# Altium PCB BACKPMANv21.PcbDoc (part 4 of 5) (continued)
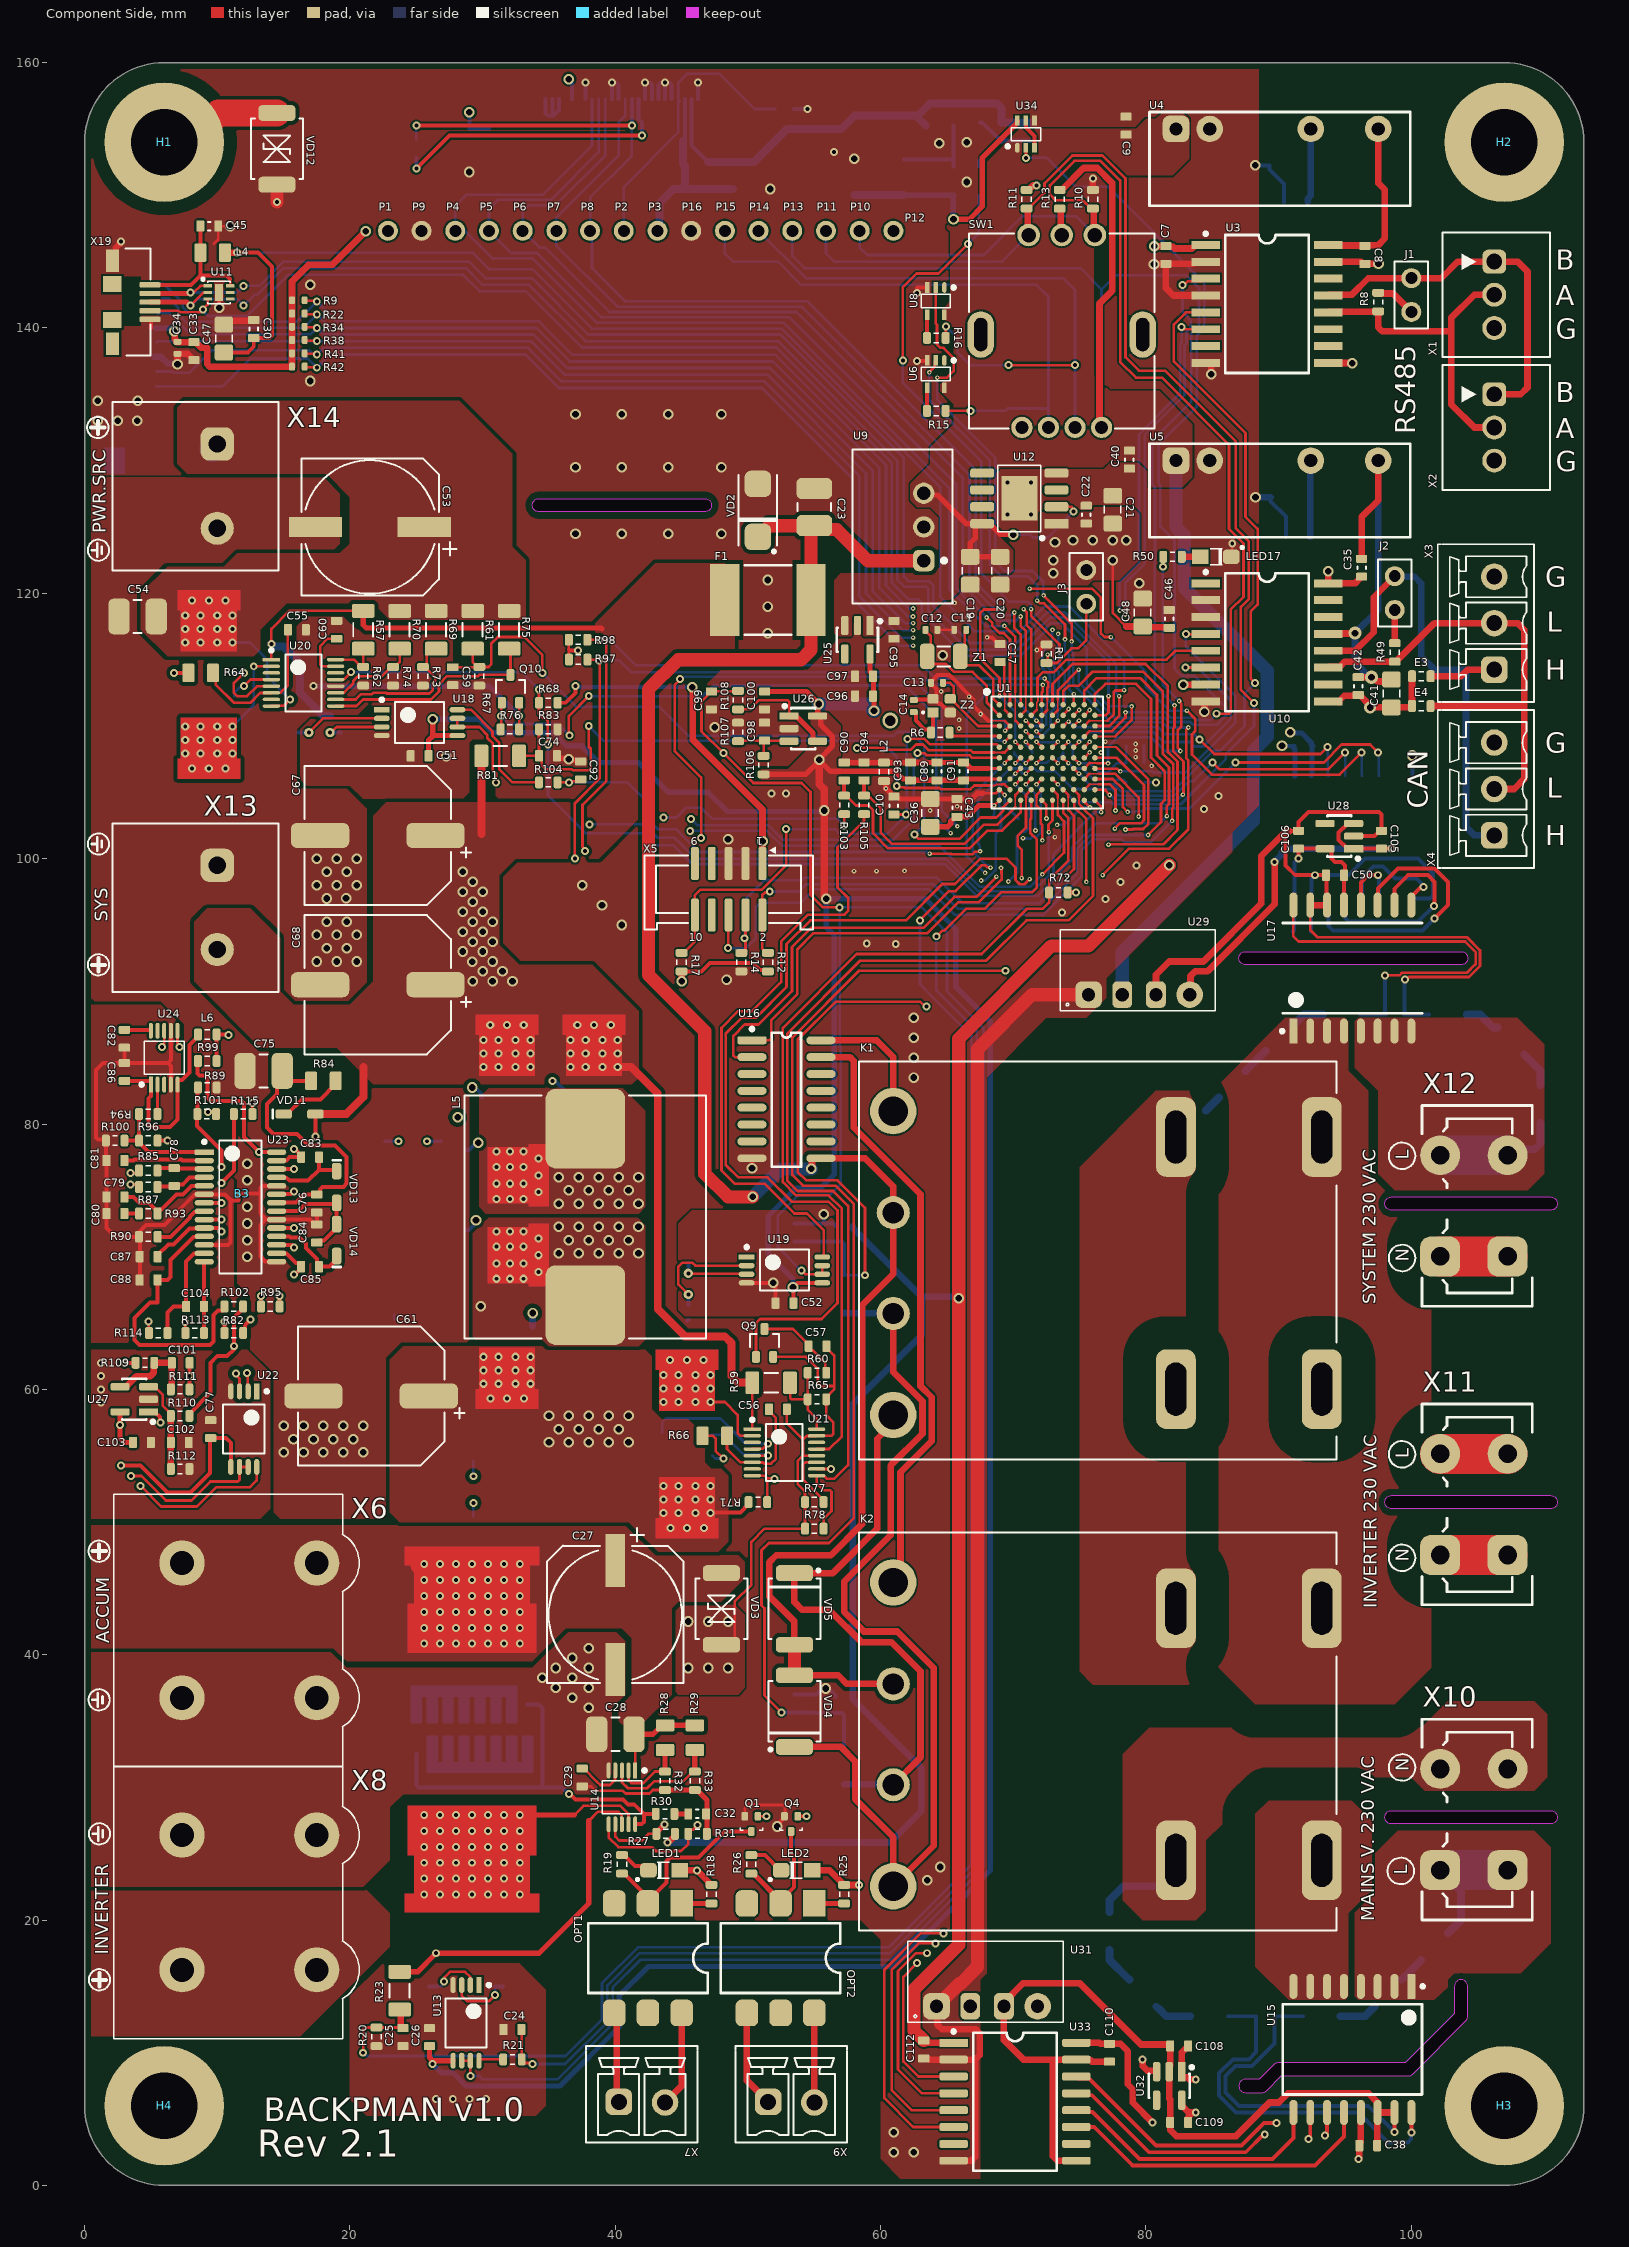
[diagram p0: Component Side view]
## Nets (pads, with @x,y where several pads share a name; then routed paths per layer and width w, separated by ;. In a path a pad name is that pad's centre, name@x,y a point inside that pad or via, vN(x,y) a via of type N, cw(c..) or ccw(c..) an arc to the next point about the centre after c; other vN are vias at no path point) (continued)
OLED_DC: LCD1.10 P6.1 U1.B3 | length 76
  Component Side w0.125: 70.942,111.192 70.942,112.293
  Component Side w0.2: U1.B3@70.55,110.8 70.942,111.192 ; v3(70.55,118.25) 70.55,117.55 70.942,117.158 70.942,112.293
  Bottom Layer w0.2: LCD1.10@39.25,157.25 39.25,153 35.5,149.25 33.5,149.25 33.02,148.77 P6.1@33.02,147.32 34.29,146.05 34.7,146.05 39.55,141.2 53.669,141.2 66.192,128.676 66.192,120.574 68.816,117.95 70.209,117.95 70.509,118.25 v3(70.55,118.25)
OLED_DIN: LCD1.14 P8.1 R2.1 U1.E3 | length 91.2
  Component Side w0.2: v3(68.961,112.243) 68.961,113.614 67.5,115.075 67.5,118.5 67.775,118.775 v3(69.2,118.775) ; v3(70.15,108.8) U1.E3@70.55,108.4
  Component Side w0.3: v2(25,155.25) v2(41.25,155.25)
  Bottom Layer w0.2: R2.1@25,154.2 v2(25,155.25) ; v2(41.25,155.25) 41.25,152.968 38.1,149.818 P8.1@38.1,147.32 38.1,146.968 38.25,146.818 38.25,144.5 40.75,142 54.5,142 67.158,129.342 67.158,120.817 v3(69.2,118.775) ; v3(68.961,112.243) 70.15,111.054 v3(70.15,108.8)
  Bottom Layer w0.3: v2(41.25,155.25) LCD1.14@41.25,157.25
OLED_RES: LCD1.9 P5.1 U1.A2 | length 77.4
  Component Side w0.2: v3(67.996,118.171) 68.423,117.745 68.423,117.552 68.967,117.008 69.276,117.008 69.75,116.534 U1.A2@69.75,111.6
  Bottom Layer w0.2: LCD1.9@38.75,157.25 38.75,153.25 35.15,149.65 31.15,149.65 30.48,148.98 P5.1@30.48,147.32 32.15,145.65 34.1,145.65 38.95,140.8 53.129,140.8 65.71,128.219 65.71,120.352 66.786,119.276 66.892,119.276 v3(67.996,118.171)
OLEDP: U1.B6 U34.2 | length 72.8
  Component Side w0.125: 73.358,111.207 73.358,111.98
  Component Side w0.2: U34.2@70.95,153.582 70.959,153.573 70.959,152.824 v2(70.967,152.815) ; U1.B6@72.95,110.8 73.358,111.207 ; 73.358,111.98 73.358,112.684 v3(74.923,114.25)
  Bottom Layer w0.2: v2(70.967,152.815) 72.527,152.815 74.692,150.65 77.119,150.65 84.4,143.369 84.4,140.009 83.837,139.446 83.837,134.087 80.96,131.21 80.96,128.271 81.075,128.156 81.075,125.044 82.144,123.975 82.144,114.3 82.677,113.767 83.642,113.767 86.072,111.337 86.072,110.812 85.352,110.092 83.539,110.092 83.335,110.296 81.723,110.296 81.419,110.6 77.625,110.6 74.923,113.302 v3(74.923,114.25)
OLEDV: U1.C6 U2.4 | length 49.6
  Component Side w0.2: v2(61.671,137.541) 61.671,143.071 62.7,144.1 64.35,144.1 v2(66.575,146.325) ; v3(71.345,118.805) 71.345,118.285 73.476,116.155 v3(73.476,115.567) ; U1.C6@72.95,110 v3(73.35,110.4)
  Bottom Layer w0.2: v2(61.671,137.541) 61.671,135.865 67.589,129.946 67.589,121.476 69.691,119.375 71.062,119.375 71.317,119.12 71.317,118.833 v3(71.345,118.805) ; v2(66.575,146.325) 67.4,147.15 U2.4@67.4,150 ; v3(73.35,110.4) 73.35,111.117 73.873,111.64 73.873,114.117 73.476,114.514 v3(73.476,115.567)
OUT1: Q1.1 U1.E10 | length 111.1
  Component Side w0.15: U1.E10@76.15,108.4 77.757,108.4
  Component Side w0.2: Q1.1@50.75,27.825 v2(51.4,27.825) ; 77.757,108.4 80.175,105.982 80.175,102.629 79.781,102.235 79.027,102.235 78.993,102.201 v3(78.452,102.201)
  Layer 1 w0.2: v2(51.4,27.825) 52,28.425 57.037,28.425 57.987,27.475 62.916,27.475 64.35,28.909 64.35,68.6 65.65,69.9 65.65,99.374 67.308,101.032 68.359,101.032 68.534,100.857 70.129,100.857 70.311,100.675 71.116,100.675 71.348,100.908 75.11,100.908 77.186,102.984 77.737,102.984 78.08,102.641 78.08,102.573 v3(78.452,102.201)
OUT2: Q4.1 U1.F10 | length 105.1
  Component Side w0.2: U1.F10@76.15,107.6 77.795,107.6 79.85,105.545 79.85,102.903 79.613,102.667 78.014,102.667 77.648,102.301 v3(77.648,102.26)
  Component Side w0.3: Q4.1@53.75,27.825 v2(54.4,27.825)
  Layer 1 w0.2: v2(54.4,27.825) 55.15,27.075 63.081,27.075 64.75,28.744 64.75,68.25 66.05,69.55 66.05,98.432 67.818,100.2 67.924,100.2 67.999,100.275 71.281,100.275 71.514,100.508 75.489,100.508 77.241,102.26 v3(77.648,102.26)
OVED_VCC: C3.1 C4.2 C6.1 LCD1.23 R4.2 VD1.1 | length 34.8
  Bottom Layer w0.3: LCD1.23@45.75,157.25 45.75,153.75 47,152.5
  Bottom Layer w0.6: 47,152.5 50.45,152.5 52.95,155 57.025,155 58.025,156 C4.2@59.675,156 C3.1@61.709,156 ; C3.1@61.5,156 C3.1@61.709,156 ; VD1.1@63.4,155.25 62.8,155.85 62.8,156 ; R4.2@71.25,155.5 C6.1@69.25,155.5 C6.1@69.125,155.5 ; C3.1@61.709,156 62.8,156 ; 62.8,156 63.7,156.9 68.774,156.9 69.125,156.549 ; C6.1@69.125,155.5 69.125,156.549 ; C6.1@69.125,155.5 69.125,156.549
PGND: B3.1 B7.2 C27.2 C28.2 C29.2 C32.2 C53.2 C54.2 C55.1 C56.1 C57.1 C60.1 C61.2 C62.2 C63.2 C64.2 C65.2 C66.2 C67.2 C68.2 C69.2 C70.2 C71.2 C72.2 C73.2 C75.2 C76.2 C84.2 Q9.2 Q10.2 R31.1 R32.1 R33.1 R62.2 R65.1 R73.1 R74.1 R76.1 R77.2 R78.1 R86.1 R89.1 R109.1 U14.5 U20.12 U21.12 U21.15 U23.15 U23.20 U23.24 VD3.1 VD8.1 VD10.1 X6.2 X8.1 X13.1 X14.2 | length 93.3
  Component Side w0.2: C55.1@16.675,117.25 C55.1@16.825,117.1 ; C60.1@18.925,118 C60.1@19,117.925 ; R76.1@32.75,109.75 v2(32.75,110.75) Q10.2@32.75,111.75 ; C29.2@37.467,30.108 C29.2@37.5,30.075 38.175,30.075 38.5,29.75 40.559,29.75 40.774,29.535 42.566,29.535 42.831,29.8 R32.1@43.75,29.8 ; C27.2@39.925,38.975 C27.2@40,38.9 ; R31.1@46.875,26.525 R31.1@46.9,26.5 ; VD3.1@48,40.75 48.512,40.75 VD3.1@48.997,41.235 ; Q9.2@51.9,62.45 54.386,62.45 55.25,61.586 55.25,60.5 55.5,60.25 56.5,60.25 ; C56.1@52.925,58.5 52.925,57.416 54.133,56.208 ; U21.12@55.175,55 54.15,55 ; C57.1@55.925,63.25 55.925,63.125 56.5,62.55 56.5,60.764 56.5,60.25 ; VD3.1@48.997,41.235 48.997,43.997 ; VD3.1@48.997,41.235 48.997,43.997 ; 48.997,43.997 50.25,45.25 50.25,48.5 51.25,49.5 R78.1@54.3,49.5 R77.2@54.3,51.5 54.3,52.3 53.75,52.85 53.75,54.6 54.15,55 ; 54.133,56.208 54.414,56.489 55.164,56.489 U21.15@55.175,56.5 56.308,56.5 56.425,56.617 56.425,57.527 55.9,58.052 55.9,59.4 56.5,60 56.5,60.25 ; 54.133,56.208 54.133,56.042 54.15,56.025 54.15,55
  Component Side w0.3: v2(3,62) R109.1@3.85,62 ; B3.1@12.2,74.75 13.25,74.75 ; U23.15@14.475,69.622 14.452,69.645 13.605,69.645 13.25,70 13.25,72.391 13.68,72.82 ; U23.24@14.475,75.337 13.426,75.337 13.25,75.162 13.25,74.75 ; C76.2@17.5,73.325 C84.2@17.5,72.425 17.375,72.425 17.002,72.797 U23.20@14.475,72.797 14.452,72.82 13.68,72.82 ; 13.25,74.75 13.25,73.25 13.68,72.82
  Component Side w0.4: R32.1@43.75,29.8 R33.1@46,29.8 46.15,29.8 46.909,29.041 ; R31.1@46.909,26.559 46.909,29.041 ; R31.1@46.909,26.559 46.875,26.525 R31.1@46.909,26.559 ; R31.1@46.909,26.559 46.909,29.041
  Component Side w2: X14.2@10,124.9 X14.2@10.05,124.95
  Bottom Layer w0.2: X14.2@10,124.9 X14.2@10.35,124.9 ; C62.2@23.35,65.25 C62.2@23.35,65.6
  Bottom Layer w0.4: v2(17.25,113) 30.5,113 v2(32.75,110.75)
  Bottom Layer w2: X14.2@9.865,124.9 X14.2@10,124.9 X14.2@10.096,124.996 ; X13.1@9.9,99.4 X13.1@10,99.5
  other v1: 38,36 36.75,36.75 35.5,37.5 38,37.5 34.5,38.25 36.75,38.25 35.5,39 38,39 45.5,39 47,39 48.5,39 36.75,39.75 38,40.5 45.5,42.5 47,42.5 48.5,42.5 15,55.25 16.5,55.25 18,55.25 19.5,55.25 21,55.25 15.75,56.25 17.25,56.25 18.75,56.25 20.25,56.25 15,57.25 16.5,57.25 18,57.25 19.5,57.25 21,57.25 12.25,70 12.25,71.25 12.25,72.5 12.25,73.75 12.25,75.75 12.25,77 17.5,92.25 19,92.25 20.5,92.25 18.25,93.25 19.75,93.25 17.5,94.25 19,94.25 20.5,94.25 18.25,95.25 19.75,95.25 18.25,97 19.708,97.015 17.5,98 19,98 20.5,98 18.25,99 19.75,99 17.5,100 19,100 20.5,100
PIDS_FAULT: R68.1 U1.K10 U20.13 | length 74.1
  Component Side w0.2: U20.13@18.925,113.5 18.936,113.511 19.565,113.511 20.072,114.019 v2(20.072,114.057) ; v2(34.25,112.75) R68.1@34.25,111.75 34.25,110.9 34.55,110.6 34.675,110.6 34.913,110.362 v2(34.913,108.588) ; U1.K10@76.15,104.4 76.625,103.925 v3(76.625,103.5)
  Bottom Layer w0.2: v2(20.072,114.057) 32.943,114.057 v2(34.25,112.75) ; v2@34.925,108.575 34.925,104.75 37.75,101.925 42.025,101.925 42.95,101 44.4,101 45.8,99.6 64.84,99.6 67.234,97.206 71.856,97.206 73.025,98.375 73.025,100.355 76.17,103.5 v3(76.625,103.5)
PIDS_SHDN: Q10.1 R76.2 U1.K9 | length 60.2
  Component Side w0.2: R76.2@31.35,109.75 31.4,109.8 v2(31.4,110.75) 31.4,111.7 Q10.1@31.45,111.75 ; v2(36.549,109.299) 36.5,109.349 36.5,110.75 v2(38,112.25) ; U1.K9@75.35,104.4 75.35,104.344 75.439,104.255 75.439,104.186 v3(75.775,103.85)
  Layer 1 w0.2: v3(65.275,101.925) 65.938,101.925 66.645,102.632 71.839,102.632 71.922,102.55 v3(73.3,102.55)
  Bottom Layer w0.2: v2(31.4,110.75) 32,110.15 35.699,110.15 v2(36.549,109.299) ; v2(38,112.25) 46.591,112.25 47.396,113.055 61.874,113.055 64.186,110.744 64.186,103.014 v3(65.275,101.925) ; v3(73.3,102.55) 73.823,102.55 75.123,103.85 v3(75.775,103.85)
PSRC: C53.1 C54.1 Q7.3 R61.2 R69.2 R70.2 R75.1 U20.8 VD8.2 X14.1 | length 14
  Component Side w0.2: U20.8@14.075,111.5 14.086,111.512 15.011,111.512 v2(15.5,112)
  Component Side w2: v4(10,118.328) 10.328,118 ; v4@8.73,118.25 v4(8.73,118.328) v4@8.73,118.25 ; v4@8.73,118.25 v4@10,118.25 ; v4@8.73,118.25 v4@10,118.25 ; v4@10,118.25 v4(10,117.312) v4@10,118.25
  Bottom Layer w0.2: v4(11.143,116.296) 12.454,116.296 13.75,115 13.75,113.75 v2(15.5,112)
  Bottom Layer w2: X14.1@9.65,130.9 X14.1@10,131.25
  other v4: 7.587,116.296 8.73,116.296 10,116.296 7.587,117.312 8.73,117.312 11.143,117.312 7.587,118.328 11.143,118.328 8.095,119.45 9.37,119.45 10.62,119.45
PSRC_I: C92.2 R104.2 U1.G4 | length 45.2
  Component Side w0.2: R104.2@35.65,105.75 v2(36.5,105.75) 36.577,105.827 37.239,105.827 C92.2@37.387,105.975 ; v3(63.7,100.375) 65.3,100.375 65.35,100.325 66.91,100.325 67.114,100.529 67.476,100.529 v3(67.505,100.557) ; v3(70.95,106.4) U1.G4@71.35,106.8
  Bottom Layer w0.2: v2(36.5,105.75) 40.925,105.75 42.8,103.875 42.8,102.625 43.2,102.225 44.575,102.225 46.3,100.5 63.534,100.5 63.659,100.375 v3(63.7,100.375) ; v3(67.505,100.557) 67.476,100.586 67.476,100.992 67.335,101.132 67.335,104.401 69.735,106.8 70.316,106.8 70.687,106.429 70.921,106.429 v3(70.95,106.4)
PSRC_I+: R55.4 U18.2 | length 5.9
  Component Side w0.2: R55.4@16.9,109.5 17.975,110.575 U18.2@22.4,110.575
PSRC_I-: R55.3 U18.3 | length 4.1
  Component Side w0.2: R55.3@18.5,109.5 18.569,109.5 18.994,109.925 U18.3@22.4,109.925
PSRC_V: C59.2 R61.1 R67.2 U1.K2 | length 59
  Component Side w0.2: C59.2@27.75,114.425 27.762,114.438 R67.2@29.627,114.438 ; R61.1@29.25,115.825 29.25,114.827 29.627,114.45 30.45,114.45 30.65,114.65 30.65,116.197 31.153,116.7 33.15,116.7 34.5,115.35 v2(34.5,114) ; v2(62.535,101.803) 62.547,101.803 62.852,101.498 65.938,101.498 67.54,103.1 68.726,103.1 69.218,103.592 69.218,103.868 U1.K2@69.75,104.4
  Bottom Layer w0.2: v2(34.5,114) 37.042,111.458 43.292,111.458 45.475,109.275 61.015,109.275 61.29,109.55 62.242,109.55 63.295,108.498 63.295,102.563 v2(62.535,101.803)
PW2: Q7.2 Q8.2 U20.5 | length 5.8
  Component Side w0.2: v2(12,114) 11.25,113.25 11.25,112.5 11.5,112.25 12.25,112.25 12.988,112.989 14.064,112.989 U20.5@14.075,113
  Bottom Layer w0.2: Q7.2@11.27,114 v2(12,114)
PW4: C55.2 R64.1 U20.6 | length 11.7
  Component Side w0.2: R64.1@9.675,114 9.883,113.792 9.883,113.117 11.25,111.75 12.5,111.75 13.239,112.489 14.064,112.489 14.086,112.511 14.771,112.511 15.325,113.065 C55.2@15.325,117.25
PW5: Q8.1 U20.4 | length 3.5
  Component Side w0.2: v2(12,113) 12.5,113.5 U20.4@14.075,113.5
  Bottom Layer w0.2: Q8.1@11.27,112.25 11.27,112.475 11.718,112.923 11.923,112.923 v2(12,113)
PW6: Q10.3 R75.2 U20.9 | length 16.5
  Component Side w0.2: U20.9@18.925,111.5 20.5,111.5 21,112 26.102,112 26.711,112.609 26.711,113.141 27.32,113.75 29.652,113.75 29.752,113.85 Q10.3@32.1,113.85 32.1,115.725 R75.2@32,115.825
PW9: Q7.1 R64.2 | length 1.8
  Component Side w0.3: v2(6.75,114) R64.2@7.825,114
  Bottom Layer w0.3: v2(6.75,114) Q7.1@7.46,114
PWR24_V: C74.2 R81.1 R83.2 U1.J2 | length 46.8
  Component Side w0.125: 68.224,105.512 68.629,105.512 68.708,105.591 69.112,105.591 69.119,105.584 69.14,105.584
  Component Side w0.2: R81.1@32.75,107.75 C74.2@34.25,107.75 ; R83.2@34.25,109.75 C74.2@34.25,107.75 ; v2(38,110) 38,108.434 38.15,108.284 38.15,106.826 37.974,106.65 36.799,106.65 36.699,106.75 34.75,106.75 34.45,107.05 34.45,107.55 C74.2@34.25,107.75 ; v2(61.214,105.461) 61.291,105.384 61.766,105.384 61.826,105.325 64.438,105.325 64.531,105.232 66.777,105.232 67.056,105.512 68.224,105.512 ; 69.14,105.584 69.156,105.6 69.35,105.6 U1.J2@69.75,105.2
  Bottom Layer w0.2: v2(38,110) 39.125,108.875 60.01,108.875 61.214,107.671 v2(61.214,105.461)
PWR24F: C23.1 F1.2 K1.4 K2.4 U9.1 U16.9 VD2.1 VD4.2 VD5.2 | length 146.1
  Component Side w0.5: VD4.2@53.5,38.45 56.8,38.45 57.45,37.8 K2.4@60.95,37.8 ; VD5.2@53.5,40.75 53.5,42.5 51.613,44.387 51.613,46.98 52.133,47.5 56.25,47.5 58.59,49.84 58.59,66.34 60.95,68.7 K1.4@60.95,73.318 60.95,75.3 58.83,77.42 54.868,77.42 54.822,77.374 54.822,76.672 v1(54.764,76.615)
  Component Side w1: VD2.1@50.75,124.25 51.6,125.1 C23.1@55,125.1 ; VD4.2@53.5,38.45 VD5.2@53.5,40.75 ; U9.1@63.25,122.46 59.04,122.46 56.7,124.8 55.3,124.8 C23.1@55,125.1 ; 48.5,74.5 50.35,74.5 48.5,74.5 ; 48.5,74.5 46.75,76.25 46.75,87 42.5,91.25 42.5,112.75 44.75,115 54,115 54.75,115.75 F1.2@54.75,119.5 54.75,124.85 C23.1@55,125.1
  Bottom Layer w1: v1@50.35,74.5 52.465,76.615 v1(54.764,76.615)
  other v1: 50.347,74.503
RESET: C10.1 R17.1 U1.E1 X5.10 | length 39.1
  Component Side w0.2: R17.1@45.025,92.875 R17.1@45,92.9 45.15,92.9 46,93.75 X5.10@46,95.75 46,97.25 46.4,97.65 51.025,97.65 52.875,99.5 v2(52.875,102.225) ; C10.1@61,103.325 v2@61.925,103.325 ; v2(62.025,109.025) 63.295,109.025 63.695,108.625 68.725,108.625 U1.E1@68.95,108.4
  Bottom Layer w0.2: v2(52.875,102.225) 56.55,102.225 56.9,101.875 60.485,101.875 61.975,103.365 61.975,108.975 v2(62.025,109.025)
  other v2: 61.925,103.315
RS485A: R8.2 U3.12 X1.2 X2.2 | length 25.1
  Component Side w0.5: U3.12@93.75,141.17 93.79,141.21 97.46,141.21 R8.2@97.5,141.25 97.5,140.043 97.793,139.75 103,139.75 ; X2.2@106.25,132.5 104.75,132.5 103,134.25 103,139.75 ; X1.2@106.25,142.5 104.75,142.5 103,140.75 103,139.75
RS485B: J1.1 U3.13 X1.1 X2.1 | length 27.8
  Component Side w0.5: U3.13@93.75,142.44 93.8,142.49 95.49,142.49 96.75,143.75 J1.1@100,143.75 102.25,143.75 103.5,145 X1.1@106.25,145 108,145 108.75,144.25 108.75,135.5 108.25,135 X2.1@106.25,135
SDMMC_CLK: R38.1 U1.C8 uSD1.5 | length 88.2
  Component Side w0.2: R38.1@16.586,139.088 16.63,139.044 17.456,139.044 v5(17.5,139) ; U1.C8@74.55,110 v3(74.95,110.4)
  Layer 2 w0.2: v3(62.45,117.225) 65.2,117.225 68.75,113.675 70.966,113.675 73.841,110.8 74.55,110.8 v3(74.95,110.4)
  Bottom Layer w0.2: uSD1.5@5.443,138.915 5.528,139 v5(17.5,139) 33.639,139 36.164,136.475 51.464,136.475 58.9,129.039 58.9,119.979 61.654,117.225 v3(62.45,117.225)
SDMMC_CMD: R34.1 U1.B7 uSD1.3 | length 89.3
  Component Side w0.2: R34.1@16.586,140.088 16.63,140.044 17.456,140.044 v5(17.5,140) ; U1.B7@73.75,110.8 73.75,110.83 74.166,111.245 v3(74.166,111.275)
  Layer 2 w0.2: v3(62.45,117.75) 65.35,117.75 69.025,114.075 72.875,114.075 74,112.95 74,111.85 74.137,111.713 74.137,111.304 v3(74.166,111.275)
  Bottom Layer w0.2: uSD1.3@5.443,141.115 5.453,141.104 6.396,141.104 7.975,139.525 17.025,139.525 v5(17.5,140) 18,139.5 33.846,139.5 36.371,136.975 51.671,136.975 59.4,129.246 59.4,120.186 61.843,117.743 62.443,117.743 v3(62.45,117.75)
SDMMC_D0: R41.1 U1.F9 uSD1.7 | length 93.1
  Component Side w0.2: R41.1@16.586,138.088 16.63,138.044 17.456,138.044 v5(17.5,138) ; U1.F9@75.35,107.6 v3(75.757,108.007)
  Layer 2 w0.2: v3(62.45,116.65) 65.1,116.65 68.55,113.2 70.75,113.2 72.65,111.3 72.65,109.792 72.767,109.675 75.625,109.675 76.3,109 76.3,108.55 v3(75.757,108.007)
  Bottom Layer w0.2: uSD1.7@5.443,136.715 6.651,136.715 6.741,136.625 7.915,136.625 9.615,138.325 16.925,138.325 17.25,138 v5(17.5,138) 18,138.5 33.432,138.5 35.957,135.975 51.257,135.975 58.4,128.832 58.4,119.772 61.522,116.65 v3(62.45,116.65)
SDMMC_D1: R42.1 U1.E9 uSD1.8 | length 91.8
  Component Side w0.2: R42.1@16.586,137.088 16.63,137.044 17.456,137.044 v5(17.5,137) ; U1.E9@75.35,108.4 v3(75.757,108.807)
  Layer 2 w0.2: v3(62.45,116.05) 64.95,116.05 68.2,112.8 70.5,112.8 72.25,111.05 72.25,109.525 72.5,109.275 75.454,109.275 75.729,109 75.729,108.836 v3(75.757,108.807)
  Bottom Layer w0.2: uSD1.8@5.426,135.609 10.416,135.609 12.501,137.693 16.807,137.693 v5(17.5,137) 18.5,138 33.225,138 35.75,135.475 51.05,135.475 57.9,128.625 57.9,119.564 61.407,116.057 62.443,116.057 v3(62.45,116.05)
SDMMC_D2: R9.1 U1.B9 uSD1.1 | length 92.7
  Component Side w0.2: R9.1@16.586,142.088 16.63,142.044 17.456,142.044 v5(17.5,142) ; U1.B9@75.35,110.8 v3(75.757,111.207)
  Layer 2 w0.2: v3(62.45,118.85) 62.491,118.85 62.641,118.7 66.796,118.7 70.621,114.875 73.475,114.875 75.757,112.593 v3(75.757,111.207)
  Bottom Layer w0.2: uSD1.1@5.443,143.315 5.963,143.315 6.588,142.69 6.633,142.69 7.393,141.93 7.393,141.572 8.49,140.475 15.975,140.475 v5(17.5,142) 19,140.5 34.261,140.5 36.786,137.975 52.086,137.975 60.4,129.661 60.4,120.6 62.15,118.85 v3(62.45,118.85)
SDMMC_D3: R22.1 U1.B8 uSD1.2 | length 91
  Component Side w0.2: R22.1@16.586,141.088 16.63,141.044 17.456,141.044 v5(17.5,141) ; U1.B8@74.55,110.8 v3(74.958,111.207)
  Layer 2 w0.2: v3(62.442,118.252) 62.465,118.275 65.45,118.275 69.25,114.475 73.225,114.475 75.15,112.55 75.15,111.4 v3(74.958,111.207)
  Bottom Layer w0.2: uSD1.2@5.843,142.215 6.363,142.215 7.068,141.51 7.068,141.007 8.05,140.025 16.525,140.025 v5(17.5,141) 18.5,140 34.053,140 36.578,137.475 51.878,137.475 59.9,129.453 59.9,120.393 62.012,118.281 62.413,118.281 v3(62.442,118.252)
SNS+: C78.1 R85.2 U23.3 | length 3.6
  Component Side w0.3: R85.2@5.5,76.5 5.5,76.525 5.65,76.675 C78.1@6.75,76.675 6.795,76.63 9.002,76.63 U23.3@9.025,76.607
SNS-: C78.2 R87.2 U23.4 | length 3.8
  Component Side w0.3: R87.2@5.5,75.25 5.537,75.287 6.713,75.287 C78.2@6.75,75.325 6.875,75.45 7.4,75.45 7.923,75.972 U23.4@9.025,75.972
SPI0_CS: U1.G3 U33.5 | length 110.7
  Component Side w0.2: v2(64.142,18.25) 62.836,18.25 60.825,16.239 60.825,7.175 62.33,5.67 U33.5@65.5,5.67 ; v3(70.15,106.4) U1.G3@70.55,106.8
  Layer 1 w0.2: v2(64.142,18.25) 64.925,18.25 67.5,20.825 67.5,98.234 67.575,98.309 v3(67.575,98.35)
  Bottom Layer w0.2: v3(67.575,98.35) 67.604,98.379 67.894,98.379 68.318,98.802 68.441,98.925 68.675,99.159 68.675,101.912 69.075,102.312 69.075,103.815 68.95,103.94 68.95,105.556 69.194,105.8 69.55,105.8 v3(70.15,106.4)
SPI0_MISO: U1.A6 U33.6 | length 141.6
  Component Side w0.2: v2(64.75,19) 63.02,19 60.275,16.255 60.275,6.575 62.45,4.4 U33.6@65.5,4.4 ; U1.A6@72.95,111.6 72.95,113.158 74.467,114.675 79.975,114.675 81.65,113 81.65,108.035 82.379,107.306 82.379,102.154 81.3,101.075 79.195,101.075 79.17,101.1 79.145,101.075 77.197,101.075 v3(77.175,101.053)
  Layer 1 w0.2: v2(64.75,19) 66.75,21 66.75,98.475 68.075,99.8 71.372,99.8 71.659,100.087 76.21,100.087 v3(77.175,101.053)
SPI0_MOSI: U1.C5 U33.4 | length 119.4
  Component Side w0.2: v2(63.5,17.5) 62.651,17.5 61.31,16.159 61.31,8.746 63.116,6.94 U33.4@65.5,6.94 ; v3(71.75,110.4) U1.C5@72.15,110
  Layer 1 w0.2: v2(63.5,17.5) 64.741,17.5 68.1,20.859 68.1,98.659 67.875,98.884 v3(67.875,98.925)
  Bottom Layer w0.2: v3(67.875,98.925) 67.248,99.552 67.098,99.552 66.5,100.149 66.5,110.95 68.192,112.643 69.507,112.643 v3(71.75,110.4)
SPI0_SCK: U1.H3 U33.3 | length 106.7
  Component Side w0.2: v2(62.75,16.75) 61.71,15.71 61.71,9.34 62.84,8.21 U33.3@65.5,8.21 ; v3(70.15,105.6) U1.H3@70.55,106
  Layer 1 w0.2: v2(62.75,16.75) 64.556,16.75 68.75,20.944 68.75,97.45 69.148,97.848 69.198,97.848 v3(69.625,98.275)
  Bottom Layer w0.2: v3(69.625,98.275) 70.274,98.924 70.274,101.663 70.636,102.025 70.888,102.025 71.25,102.387 71.25,104.5 v3(70.15,105.6)
SPI1_CS: U1.A4 U30.5 | length 46.6
  Component Side w0.2: v3(70.775,118.8) 71,118.575 71,117.625 71.35,117.275 U1.A4@71.35,111.6 ; v3(71.225,120.35) 75.925,120.35 76.6,119.675 76.6,116.975 76.875,116.7 v3(77.35,116.7) ; v3(83.083,111.15) 83.712,110.522 83.712,109.62 83.464,109.372 83.464,107.834 84.965,106.333 94.583,106.333 v2(96.25,108)
  Layer 2 w0.2: v3(70.775,118.8) 70.798,118.823 70.798,119.048 71.225,119.475 v3(71.225,120.35)
  Bottom Layer w0.2: v3(77.35,116.7) 79.985,114.065 79.985,112.954 81.788,111.15 v3(83.083,111.15) ; v2(96.25,108) 96.27,107.98 96.27,106.27 U30.5@96.29,106.25
SPI1_MISO: U1.H10 U30.6 | length 27.3
  Component Side w0.2: U1.H10@76.15,106 77.49,106 78.25,105.24 78.25,103.893 v3(78.613,103.53) ; v2(86.75,107.25) 93.401,107.25 94.751,108.6 96.9,108.6 v2(97.5,108)
  Bottom Layer w0.2: v3(78.613,103.53) 79.185,103.53 79.229,103.575 79.76,103.575 79.96,103.775 83.275,103.775 v2(86.75,107.25) ; v2(97.5,108) 97.53,107.97 97.53,106.28 U30.6@97.56,106.25
SPI1_MOSI: U1.F3 U30.4 | length 30
  Component Side w0.2: v3(70.15,107.2) U1.F3@70.55,107.6 ; v2(85,107.25) 85.525,106.725 93.725,106.725 93.75,106.75 v2(95,108)
  Bottom Layer w0.2: v3(70.15,107.2) 70.179,107.171 70.319,107.171 70.365,107.125 70.459,107.125 70.784,106.8 71.584,106.8 71.806,106.578 73.172,106.578 74.5,105.25 77.427,105.25 77.927,104.75 82.137,104.75 83.23,105.843 83.593,105.843 v2(85,107.25) ; v2(95,108) 95.01,107.99 95.01,106.26 U30.4@95.02,106.25
SPI1_SCK: U1.C7 U30.3 | length 23.5
  Component Side w0.2: U1.C7@73.75,110 73.8,110 74.125,110.325 v3(74.166,110.325) ; v2(84.049,108.983) 85.148,107.884 93.152,107.884 v2(93.668,108.4)
  Bottom Layer w0.2: v3(74.166,110.325) 74.585,109.906 80.899,109.906 81.432,109.372 83.659,109.372 v2(84.049,108.983) ; v2(93.668,108.4) 93.709,108.359 93.709,106.291 U30.3@93.75,106.25
SW1: C83.2 L5.1 Q12.2 Q13.2 Q17.3 U23.27 | length 17.3
  Component Side w0.3: U23.27@14.475,77.242 14.498,77.265 15.228,77.265 15.463,77.5 C83.2@16.325,77.5 16.325,77.625 15.85,78.1 v2(15.8,78.1) v2@15.8,78.019
  Layer 1 w0.5: v2(15.8,78.1) 16.56,77.34 25.794,77.34 28.064,79.61 28.064,80.439 v1(28.121,80.496)
  other v1: 35.75,74 37.25,74 38.75,74 40.25,74 41.75,74 36.5,75 38,75 39.5,75 41,75 35.75,76 37.25,76 38.75,76 40.25,76 41.75,76
  other v4: 31.046,74.357 32.062,74.357 33.078,74.357 34.2,74.88 31.046,75.5 32.062,75.5 33.078,75.5 34.2,76.13 31.046,76.77 32.062,76.77 33.078,76.77 34.2,77.405 31.046,77.913 32.062,77.913 33.078,77.913
SW2: C85.2 L5.2 Q14.2 Q18.3 U23.16 VD9.1 VD9.2 | length 19.5
  Component Side w0.3: U23.16@14.475,70.257 14.498,70.235 15.226,70.235 15.936,69.525 16.175,69.525 16.325,69.375 C85.2@16.325,69.25 16.325,69.125 15.85,68.65 v2(15.8,68.65)
  Layer 1 w0.5: v2(15.8,68.65) 17.11,69.96 26.468,69.96 28.15,68.279 29.831,66.598 29.831,66.294 v1(29.85,66.275)
  other v1: 35.75,70.25 37.25,70.25 38.75,70.25 40.25,70.25 41.75,70.25 36.5,71.25 38,71.25 39.5,71.25 41,71.25 35.75,72.25 37.25,72.25 38.75,72.25 40.25,72.25 41.75,72.25
  other v4: 31.046,68.337 32.062,68.337 33.078,68.337 34.2,68.86 31.046,69.48 32.062,69.48 33.078,69.48 34.2,70.11 31.046,70.75 32.062,70.75 33.078,70.75 34.2,71.385 31.046,71.893 32.062,71.893 33.078,71.893
SW_INV_PATH: U1.J9 U16.1 | length 45.2
  Component Side w0.125: 75.75,105.6 76.426,105.6
  Component Side w0.2: U16.1@50.3,86.31 51.633,86.31 51.75,86.427 51.75,87.818 53.721,89.789 53.721,93.171 54.936,94.386 63.525,94.386 65.856,96.717 67.401,96.717 69.118,98.434 69.118,98.825 69.104,98.839 69.104,99.28 v3(69.075,99.308) ; U1.J9@75.35,105.2 75.75,105.6 ; 76.426,105.6 77.28,105.6 77.7,105.18 v3(77.7,103.625)
  Layer 1 w0.2: v3(69.075,99.308) 70.118,99.308 70.209,99.4 71.538,99.4 71.825,99.687 77.038,99.687 79.025,101.675 79.025,102.3 v3(77.7,103.625)
SW_MAINS_PATH: U1.H9 U16.2 | length 49.8
  Component Side w0.125: 75.757,106.407 76.475,106.407
  Component Side w0.2: U16.2@50.3,85.04 49.017,85.04 48.9,85.157 48.9,86.646 49.754,87.5 50.797,87.5 53.315,90.018 53.315,93.34 54.776,94.801 63.251,94.801 65.567,97.117 67.236,97.117 68.718,98.599 v3(68.718,98.637) ; U1.H9@75.35,106 75.757,106.407 ; 76.475,106.407 77.668,106.407 79.45,104.625 v3(79.45,103.175)
  Layer 1 w0.2: v3(68.718,98.637) 68.747,98.665 69.108,98.665 69.293,98.85 70.225,98.85 70.375,99 71.703,99 71.991,99.288 77.262,99.288 79.45,101.475 v3(79.45,103.175)
SWD_CLK: R14.1 U1.A9 X5.4 | length 60
  Component Side w0.2: R14.1@49.5,92.9 R14.1@49.65,92.9 ; R14.1@49.81,93.06 X5.4@49.81,95.75 ; U1.A9@75.35,111.6 75.35,112.688 76.262,113.6 79.567,113.6 80.825,112.342 80.825,107.775 81.729,106.871 81.729,104.104 81.575,103.95 v3(81.575,103.2)
  Component Side w0.3: R14.1@49.65,92.9 R14.1@49.81,93.06
  Bottom Layer w0.2: v2(49.75,94) 49.75,96.875 51.249,98.374 54.051,98.374 54.229,98.552 64.248,98.552 66.153,96.647 71.984,96.647 73.6,98.263 73.6,99.139 74.448,99.987 74.448,100.863 76.245,102.66 81.035,102.66 v3(81.575,103.2)
SWD_DIO: R12.1 U1.A10 X5.2 | length 55.2
  Component Side w0.2: R12.1@51.5,92.9 51.377,92.9 51.08,93.197 X5.2@51.08,95.75 51.075,95.755 51.075,97.24 51.282,97.448 51.565,97.448 v2(51.642,97.524) ; U1.A10@76.15,111.6 76.15,112.394 76.931,113.175 79.25,113.175 80.375,112.05 80.375,107.616 81.404,106.587 81.404,104.404 81.125,104.125 81.125,102.75 v3(80.159,101.784)
  Bottom Layer w0.2: v2(51.642,97.524) 53.836,97.524 54.381,98.069 63.983,98.069 65.837,96.215 72.147,96.215 74.825,98.894 74.825,100.781 75.822,101.778 80.153,101.778 v3(80.159,101.784)
SWO: U1.A7 X5.6 | length 64.2
  Component Side w0.2: v2(48.5,93.25) 48.52,93.27 48.52,95.73 X5.6@48.54,95.75 ; U1.A7@73.75,111.6 73.75,112.617 74.163,113.03 74.92,113.03 75.987,114.097 79.781,114.097 81.25,112.628 81.25,107.925 82.054,107.121 82.054,103.829 81.975,103.75 v3(81.975,102.85)
  Bottom Layer w0.2: v2(48.5,93.25) 49.849,93.25 50.599,94 50.599,96.369 50.902,96.672 53.95,96.672 54.966,97.688 63.662,97.688 65.567,95.783 72.288,95.783 75.15,98.645 75.15,100.646 75.957,101.453 78.199,101.453 78.432,101.219 80.344,101.219 v3(81.975,102.85)